# Altium PCB MB1397.PcbDoc (part 1 of 11) (continued)
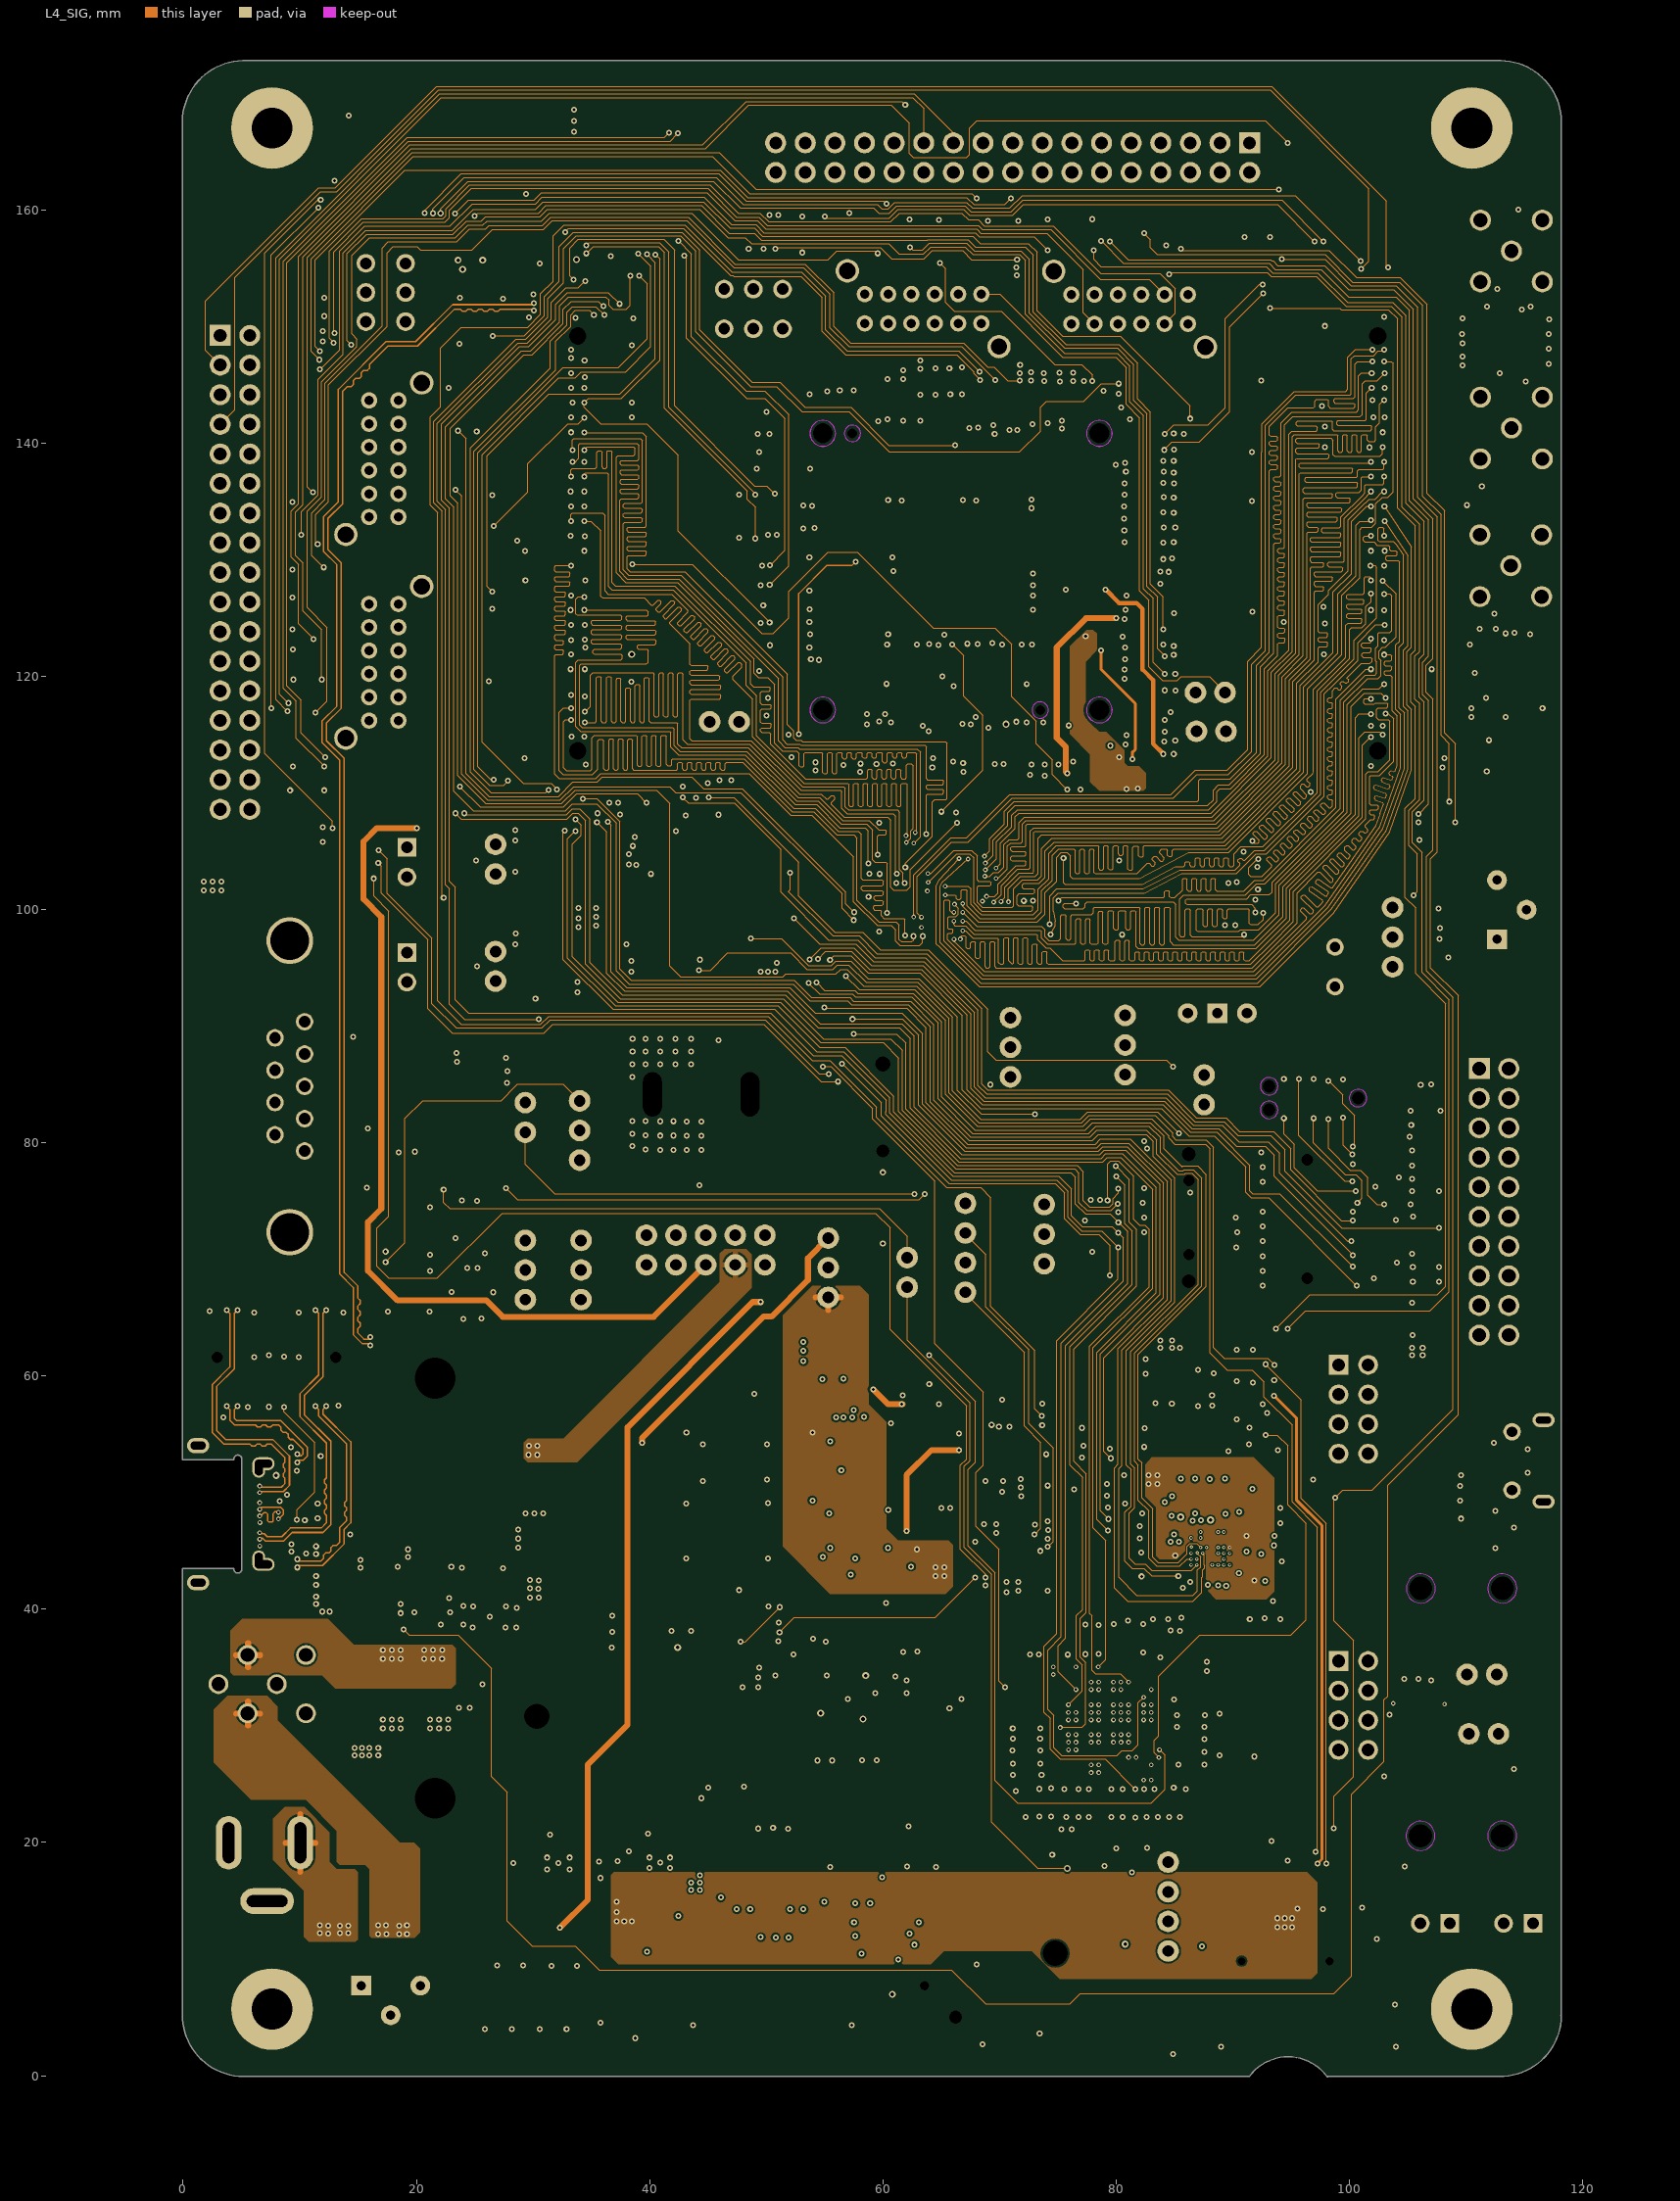
[diagram p4: L4_SIG]
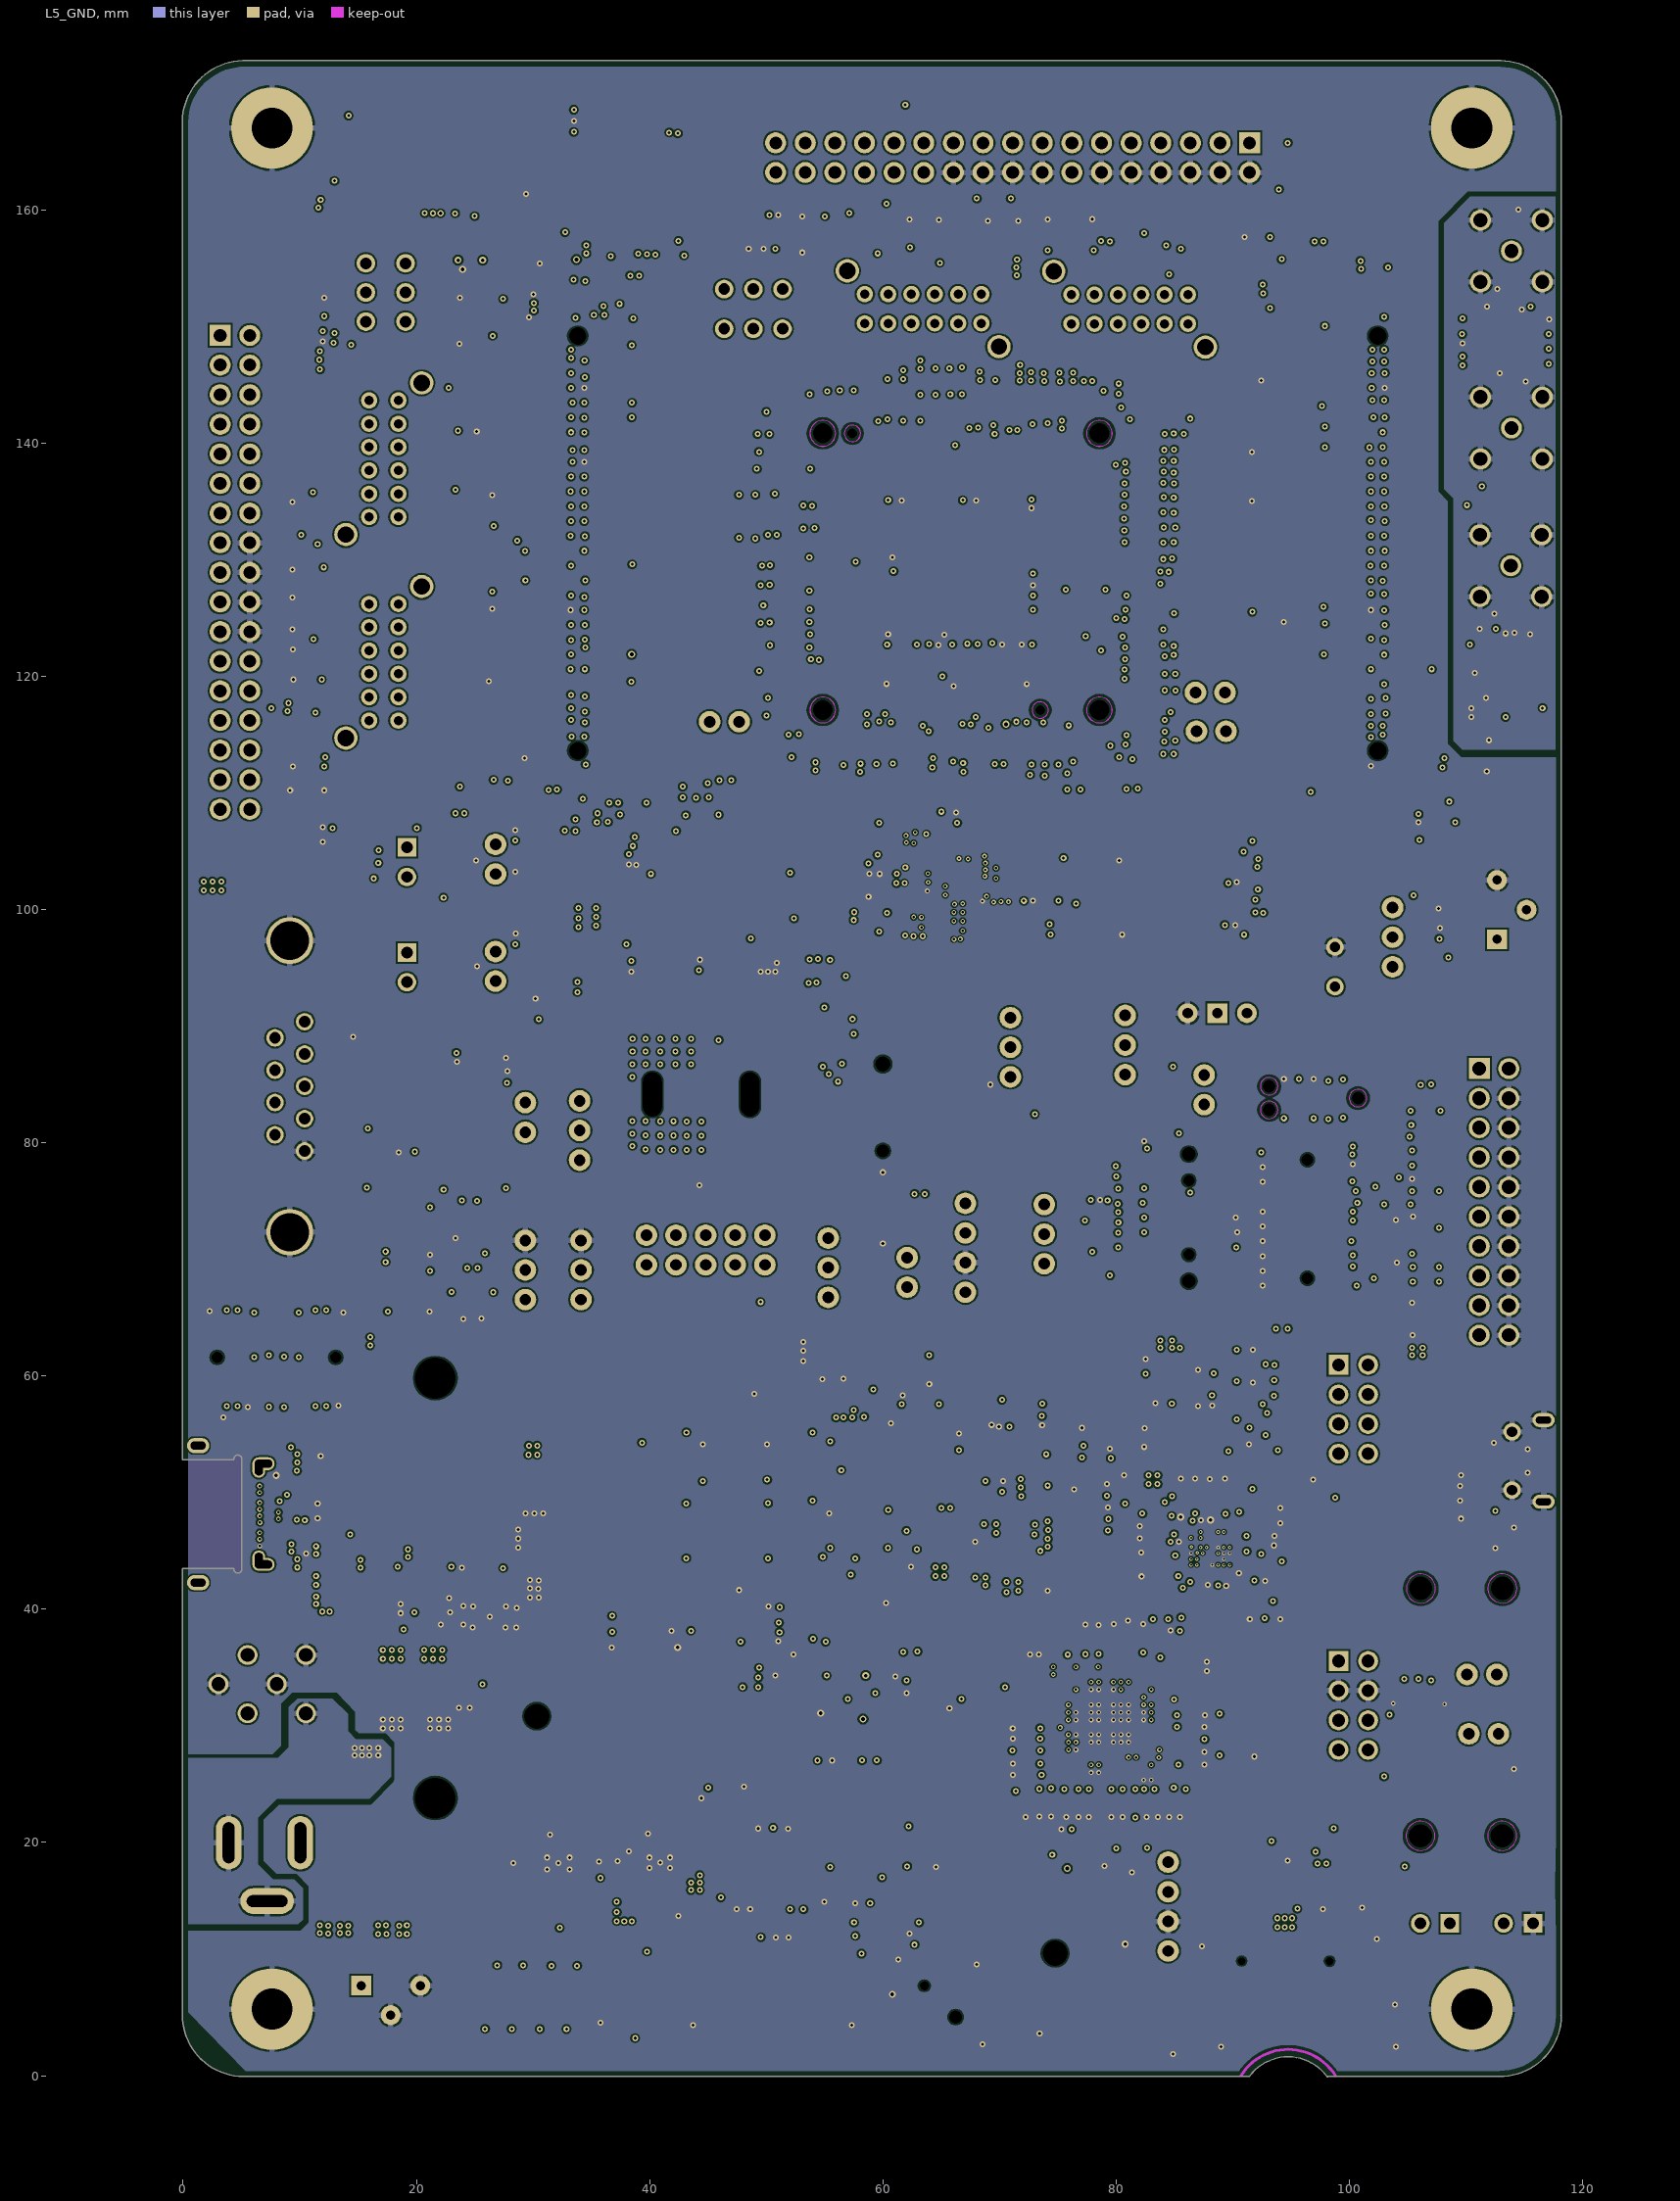
[diagram p5: L5_GND]

## Layer stack, top to bottom
Top Solder: solder mask 0.0102, Solder Resist, Dk 3.5
Top Layer: signal copper 0.0457
Dielectric1: core 0.0991, FR-4, Dk 4.2
L2_GND: signal copper 0.0305
Dielectric2: prepreg 0.127, Dk 4.2
L3_VCC: signal copper 0.0305
Dielectric3: core 0.9652, FR-4, Dk 4.2
L4_SIG: signal copper 0.0305
Dielectric4: prepreg 0.127, Dk 4.2
L5_GND: signal copper 0.0305
Dielectric5: core 0.0991, FR-4, Dk 4.2
Bottom Layer: signal copper 0.0457
Bottom Solder: solder mask 0.0102, Solder Resist, Dk 3.5

## Board outline
-0.064,5.258 -0.064,43.434 cw(c0,43.434) 0,43.498 4.286,43.498 cw(c4.286,43.434) 4.35,43.434 ccw(c4.686,43.434) 5.022,43.434 5.022,52.884 ccw(c5.086,52.884) 5.022,52.883 5.022,52.884 ccw(c4.686,52.884) 4.35,52.884 cw(c4.286,52.884) 4.286,52.82 0,52.82 cw(c0,52.884) -0.064,52.884 -0.064,167.564 cw(c0,167.564) -0.064,167.564 cw(c5.207,167.513) 5.094,172.783 cw(c5.105,172.72) 5.105,172.784 5.156,172.784 cw(c5.207,167.513) 5.258,172.784 112.954,172.784 cw(c112.954,172.72) 112.954,172.784 cw(c112.903,167.513) 118.174,167.513 cw(c112.903,167.513) 118.174,167.462 118.174,24.765 ccw(c118.11,24.765) 118.174,24.766 118.174,24.765 118.174,5.156 ccw(c118.11,5.156) 118.174,5.156 cw(c118.11,5.156) 118.174,5.156 cw(c112.903,5.207) 112.852,-0.064 cw(c112.903,5.207) 112.852,-0.064 98.159,-0.064 cw(c98.116,-0.016) 98.065,-0.054 ccw(c94.742,-2.502) 91.432,-0.038 ccw(c94.742,-2.502) 91.431,-0.038 91.432,-0.038 cw(c91.38,0) 91.38,-0.064 5.156,-0.064 cw(c5.156,0) 5.156,-0.064 cw(c5.207,5.207) -0.064,5.258 cw(c5.207,5.207)
cut-out: -225.071,-180.037 -224.817,-180.037 -224.817,-179.783 -225.071,-179.783

## Design rules (kind name [scope] priority, off if disabled: settings)
Clearance Clearance_C1_RX1 [(ObjectKind = 'Track') And (Net = 'C1_RX1+') vs (ObjectKind = 'Track') And (Net = 'C1_RX1-')] p1: gap=0.226 ignorepadtopadclearanceinfootprint=FALSE except(0: Arc-Hole Track-Hole SMDPad-Hole THPad-Hole Via-Hole Fill-Hole Poly-Hole Region-Hole Text-Hole; 0.152: Arc-Via Track-Via Via-Via)
Clearance Clearance_C1_RX2 [(ObjectKind = 'Track') And (Net ='C1_RX2+') vs (ObjectKind = 'Track') And (Net ='C1_RX2-')] p2: gap=0.226 ignorepadtopadclearanceinfootprint=FALSE except(0: Arc-Hole Track-Hole SMDPad-Hole THPad-Hole Via-Hole Fill-Hole Poly-Hole Region-Hole Text-Hole; 0.203: Via-Via)
Clearance Clearance_C1_TX1 [(ObjectKind = 'Track') And (Net ='C1_TX1-') vs (ObjectKind = 'Track') And (Net ='C1_TX1+')] p3: gap=0.226 ignorepadtopadclearanceinfootprint=FALSE except(0: Arc-Hole Track-Hole SMDPad-Hole THPad-Hole Via-Hole Fill-Hole Poly-Hole Region-Hole Text-Hole; 0.203: Via-Via)
Clearance Clearance_C1_TX2 [(ObjectKind = 'Track') And (Net ='C1_TX2+') vs (ObjectKind = 'Track') And (Net ='C1_TX2-')] p4: gap=0.226 ignorepadtopadclearanceinfootprint=FALSE except(0: Arc-Hole Track-Hole SMDPad-Hole THPad-Hole Via-Hole Fill-Hole Poly-Hole Region-Hole Text-Hole; 0.152: Arc-Via Track-Via Via-Via)
Clearance Clearance_USB_DEV_HS_CN [InNet('USB_DEV_HS_CN_P') vs InNet('USB_DEV_HS_CN_N')] p5: gap=0.226 ignorepadtopadclearanceinfootprint=FALSE except(0: Arc-Hole Track-Hole SMDPad-Hole THPad-Hole Via-Hole Fill-Hole Poly-Hole Region-Hole Text-Hole; 0.203: Via-Via)
Clearance Clearance_USB_D [InNet('USB_DM') vs InNet('USB_DP')] p6: gap=0.226 ignorepadtopadclearanceinfootprint=FALSE except(0: Arc-Hole Track-Hole SMDPad-Hole THPad-Hole Via-Hole Fill-Hole Poly-Hole Region-Hole Text-Hole; 0.152: Arc-Via Track-Via Via-Via)
Clearance Clearance_USB_DEV_HS [InNet('USB_DEV_HS_N') vs InNet('USB_DEV_HS_P')] p7: gap=0.226 ignorepadtopadclearanceinfootprint=FALSE except(0: Arc-Hole Track-Hole SMDPad-Hole THPad-Hole Via-Hole Fill-Hole Poly-Hole Region-Hole Text-Hole; 0.203: Via-Via)
Clearance Clearance_SB [HasFootprint('SOLDER-BRIDGE_R0603-0R')] p8: gap=0.102 ignorepadtopadclearanceinfootprint=FALSE except(0: Arc-Hole Track-Hole SMDPad-Hole THPad-Hole Via-Hole Fill-Hole Poly-Hole Region-Hole Text-Hole)
Clearance Clearance_U11 [WithinRoom('Room_U11','Room_U40')] p9: gap=0.102 ignorepadtopadclearanceinfootprint=FALSE except(0: Arc-Hole Track-Hole SMDPad-Hole THPad-Hole Via-Hole Fill-Hole Poly-Hole Region-Hole Text-Hole)
Clearance Clearance_U35 [All vs WithinRoom('Room_U35')] p10: gap=0.097 ignorepadtopadclearanceinfootprint=FALSE except(0: Arc-Hole Track-Hole SMDPad-Hole THPad-Hole Via-Hole Fill-Hole Poly-Hole Region-Hole Text-Hole)
Clearance Middle-layer-Clearance [(ObjectKind = 'Track') And (Layer = 'L4_SIG') vs (ObjectKind = 'Track') And (Layer = 'L4_SIG')] p11: gap=0.203 ignorepadtopadclearanceinfootprint=FALSE except(0: Arc-Hole Track-Hole SMDPad-Hole THPad-Hole Via-Hole Fill-Hole Poly-Hole Region-Hole Text-Hole; 0.201: Track-Track)
Clearance [All] p12: gap=0.102 ignorepadtopadclearanceinfootprint=FALSE except(0: Arc-Hole Track-Hole SMDPad-Hole THPad-Hole Via-Hole Fill-Hole Poly-Hole Region-Hole Text-Hole; 0.127: Via-Via; 0.152: SMDPad-Fill SMDPad-Poly THPad-Fill THPad-Poly Via-Fill Via-Poly; 0.251: Track-Track; 0.254: Arc-Fill Arc-Poly Track-Fill Track-Poly Fill-Fill Fill-Poly Poly-Poly)
ComponentClearance [All] p1: gap=0.2 collisioncheckmode=3 verticalgap=0.2 showdistances=FALSE
DiffPairsRouting 90ohm [InDifferentialPairClass('90ohm')] p1: maxlimit=0.254 minlimit=0.226 mostfreqgap=0.254 toplayer_maxgap=0.226 toplayer_prefgap=0.226 toplayer_minwidth=0.155 toplayer_maxwidth=0.381 toplayer_prefwidth=0.381 midlayer1_mingap=0.254 midlayer1_minwidth=0.155 midlayer1_maxwidth=0.381 midlayer1_prefwidth=0.381 midlayer2_mingap=0.254 midlayer2_minwidth=0.155 midlayer2_maxwidth=0.381 midlayer2_prefwidth=0.381 midlayer3_mingap=0.251 midlayer3_maxgap=0.251 midlayer3_prefgap=0.251 midlayer3_minwidth=0.13 midlayer3_maxwidth=0.381 midlayer3_prefwidth=0.381 midlayer4_mingap=0.254 midlayer4_minwidth=0.155 midlayer4_maxwidth=0.381 midlayer4_prefwidth=0.381 bottomlayer_prefgap=0.226 bottomlayer_minwidth=0.155 bottomlayer_maxwidth=0.381 bottomlayer_prefwidth=0.381 maxuncoupledlength=12.7
DiffPairsRouting 100ohm [InDifferentialPairClass('100OHM')] p2: maxlimit=0.277 minlimit=0.104 mostfreqgap=0.277 toplayer_mingap=0.251 toplayer_maxgap=0.251 toplayer_prefgap=0.251 toplayer_minwidth=0.155 toplayer_maxwidth=0.381 toplayer_prefwidth=0.381 midlayer1_mingap=0.254 midlayer1_maxgap=0.254 midlayer1_prefgap=0.254 midlayer1_minwidth=0.155 midlayer1_maxwidth=0.381 midlayer1_prefwidth=0.381 midlayer2_minwidth=0.155 midlayer2_maxwidth=0.381 midlayer2_prefwidth=0.381 midlayer3_minwidth=0.155 midlayer3_maxwidth=0.381 midlayer3_prefwidth=0.381 midlayer4_mingap=0.254 midlayer4_maxgap=0.254 midlayer4_prefgap=0.254 midlayer4_minwidth=0.155 midlayer4_maxwidth=0.381 midlayer4_prefwidth=0.381 bottomlayer_mingap=0.13 bottomlayer_maxgap=0.251 bottomlayer_prefgap=0.251 bottomlayer_minwidth=0.155 bottomlayer_maxwidth=0.381 bottomlayer_prefwidth=0.381 maxuncoupledlength=12.7
DiffPairsRouting [All] p3: maxlimit=0.254 minlimit=0.254 mostfreqgap=0.254 toplayer_minwidth=0.155 toplayer_maxwidth=0.381 toplayer_prefwidth=0.155 midlayer1_minwidth=0.155 midlayer1_maxwidth=0.381 midlayer1_prefwidth=0.155 midlayer2_minwidth=0.155 midlayer2_maxwidth=0.381 midlayer2_prefwidth=0.155 midlayer3_minwidth=0.155 midlayer3_maxwidth=0.381 midlayer3_prefwidth=0.155 midlayer4_minwidth=0.155 midlayer4_maxwidth=0.381 midlayer4_prefwidth=0.155 bottomlayer_minwidth=0.155 bottomlayer_maxwidth=0.381 bottomlayer_prefwidth=0.155 maxuncoupledlength=12.7
HoleSize [All] p1: absolutevalues=TRUE maxlimit=10 minlimit=0.025 maxpercent=80.000 minpercent=20.000
HoleToHoleClearance HoleToHoleClearance_1 [(ObjectKind = 'pad') And (Name = 'CN22-PTH4') vs (ObjectKind = 'pad') And (Name = 'CN22-PTH3')] p1: gap=0 allowstackedmicrovias=TRUE
HoleToHoleClearance [(ObjectKind = 'pad') And (Name ='CN22-PTH6') vs (ObjectKind = 'pad') And (Name ='CN22-PTH5')] p2: gap=0 allowstackedmicrovias=TRUE
MatchedLengths "Schematic Matched Net Lengths_46" [InNet('USB_DEV_HS_P')] p1: tolerance=0.2 checknetsindiffpair=TRUE checkdiffpairvsdiffpair=FALSE checkxsignals=FALSE checkothers=FALSE
MatchedLengths "Schematic Matched Net Lengths_45" [InNet('USB_DEV_HS_N')] p2: tolerance=0.2 checknetsindiffpair=TRUE checkdiffpairvsdiffpair=FALSE checkxsignals=FALSE checkothers=FALSE
MatchedLengths "Schematic Matched Net Lengths_44" [InNet('USB_DEV_HS_CN_P')] p3: tolerance=0.2 checknetsindiffpair=TRUE checkdiffpairvsdiffpair=FALSE checkxsignals=FALSE checkothers=FALSE
MatchedLengths "Schematic Matched Net Lengths_43" [InNet('USB_DEV_HS_CN_N')] p4: tolerance=0.2 checknetsindiffpair=TRUE checkdiffpairvsdiffpair=FALSE checkxsignals=FALSE checkothers=FALSE
MaxMinImpedance "Schematic Impedance Constraint_7" [InNet('USB_DEV_HS_P')] p1: minimum=85.00 maximum=95.00
MaxMinImpedance "Schematic Impedance Constraint_6" [InNet('USB_DEV_HS_N')] p2: minimum=85.00 maximum=95.00
MaxMinImpedance "Schematic Impedance Constraint_5" [InNet('USB_DEV_HS_CN_P')] p3: minimum=85.00 maximum=95.00
MaxMinImpedance "Schematic Impedance Constraint_4" [InNet('USB_DEV_HS_CN_N')] p4: minimum=85.00 maximum=95.00
MinimumSolderMaskSliver [All] p1: minsoldermaskwidth=0.013
PlaneConnect [All] p1: planeconnectstyle=Relief reliefexpansion=0.508 reliefentries=4 reliefconductorwidth=0.254 reliefairgap=0.178
PolygonConnect PolygonConnect_via [IsVia] p1: connectstyle=Direct reliefconductorwidth=0.254 reliefentries=4 polygonreliefangle="90 Angle" airgapwidth=0.254
PolygonConnect [All] p2: connectstyle=Relief reliefconductorwidth=0.508 reliefentries=4 polygonreliefangle="90 Angle" airgapwidth=0.178
RoomDefinition Room_U11 [InComponent('U11')] p1: confinementstyle=ConfineIn formatcopy=TRUE lockcomponents=FALSE outline 61.211,95.199 71.041,95.199 71.041,107.094 61.211,107.094
RoomDefinition Room_U35 [InComponent('U35')] p2: confinementstyle=ConfineIn formatcopy=TRUE lockcomponents=FALSE outline 85.471,47.523 90.703,47.523 90.703,42.951 85.471,42.951
RoomDefinition Room_U40 [InComponent('U40')] p3: confinementstyle=ConfineIn formatcopy=TRUE lockcomponents=FALSE outline 74.058,35.862 85.166,35.793 85.166,24.765 74.058,24.765
RoutingVias [All] p1: holewidth=0.203 width=0.381 viastyle="Through Hole" minholewidth=0.152 minwidth=0.305 maxholewidth=0.305 maxwidth=0.508
SilkToSilkClearance LOGO [(ObjectKind = 'Text') And (Component = 'HW1')] p1: silktosilkclearance=0
SilkToSilkClearance [All] p2: silktosilkclearance=0.025
SilkToSolderMaskClearance [IsPad] p1: minsilkscreentomaskgap=0.008 clearancetoexposedcopper=TRUE
SolderMaskExpansion [All] p1: expansion=0.102
Width Width_U11 [WithinRoom('Room_U11')] p1: maxlimit=0.508 minlimit=0.102 preferedwidth=0.102
Width Width_U10 [WithinRoom('BGA_U10')] p2: maxlimit=0.254 minlimit=0.102 preferedwidth=0.102
Width [All] p3: maxlimit=1.27 minlimit=0.102 preferedwidth=0.254 toplayer_prefwidth=0.127 midlayer1_minwidth=0.127 midlayer1_maxwidth=0.512 midlayer2_minwidth=0.127 midlayer2_maxwidth=0.512 midlayer3_prefwidth=0.102 midlayer4_minwidth=0.127 midlayer4_maxwidth=0.512 bottomlayer_prefwidth=0.127 minimp=50.000000 maximp=50.000000 favimp=50.000000
22 further rules are at their usual default settings.

## Classes and differential pairs
differential pair class 90ohm: C1_RX1 C1_RX2 C1_TX1 C1_TX2 USB_D USB_DEV_HS USB_DEV_HS_CN
component class U_HW_Mechanical_Parts: H1 H2 H3 H4 H5 H6 HW2 HW3 HW4 HW5 HW6
component class "U_Analog Interfaces": C28 C30 C35 C36 C50 C158 C159 C171 C179 C180 C181 CN3 CN7 CN8 CN9 HW18 HW19 JP5 Q4 R19 R111 R117 R124 R152 R153 R154 R157 R158 R164 R174 R179 R301 R302 R303 R304 R305 R306 R307 R308 R310 R311 R316 R318 RV1 RV2 SB16 SB22 SB75 SB102 TP1 TP2 U2 U4 U5 U7 U8 U9 U14 U53
component class U_Audio: C84 C85 C86 C87 C88 C90 C91 C92 C93 C94 C96 C97 C99 C100 C101 C103 C104 C105 C106 C107 CN23 CN26 JP16 JP17 R237 R255 R256 R257 R258 R261 U35 U41
component class "U_Debug connector": CN14 CN15 CN17 R183 R184 R185 R186 R188 R193 R195 R197 R200 R203 R205 R207 R209 R210 R211 R212 R214 U18 U20 U24
component class U_ExtensionConnector: CN5 CN6 R309 SB81 SB82 SB87 SB88
component class U_FDCAN: C40 C44 C52 C53 CN10 CN12 JP2 JP4 R163 R165 R180 R181 U10 U13 U15 U16
component class "U_FMC Memory": C46 C47 C48 R156 R162 R171 U11
component class U_LCD&SDcard: C64 C65 C69 C70 C129 C132 C186 CN20 CN24 CN28 L6 L7 Q1 R216 R218 R219 R220 R222 R226 R231 R233 R287 SB45 SB46 U26 U28 U46 U52
component class U_MB1397_TOP: HW14 JP10
component class U_MotorControl: C1 C2 C3 C4 C5 C6 C7 C8 C9 C10 C11 C12 C14 C15 C16 C17 C18 C19 C20 C21 C22 C23 C24 C25 C26 C27 C29 C31 C32 C34 C37 C38 C39 C42 CN2 CN4 CN32 R2 R3 R4 R5 R6 R7 R8 R9 R10 R11 R12 R18 R20 R21 R22 R23 R24 R25 R31 R32 R33 R51 R52 R55 R56 R57 R58 R59 R61 R64 R65 R66 R67 R72 R76 R77 R86 R91 R92 R95 R99 R100 R103 R104 R105 R106 R110 R113 R114 R115 R119 R120 R122 R125 R126 R128 R151 R155 SB2 SB14 SB19 SB32 SW1 SW2 SW3 SW4 SW5 SW6
component class "U_Multi-Function Expander": C75 C76 C77 C78 C80 C82 C83 C98 C108 C110 C111 C112 C119 C120 CN18 D7 HW21 JP13 L3 R223 R224 R225 R227 R228 R229 R230 R232 R234 R235 R236 R238 R239 R240 R241 R242 R243 R245 R252 R253 R260 R262 R265 R266 R267 R268 R270 R271 SB43 T2 T3 T4 T5 T6 T7 T8 TP6 U32 U38 U39
component class U_Peripherals: B1 B2 C13 C41 C43 C45 C49 C157 CN1 D1 L2 LD1 LD2 LD3 LD4 LD5 LPB1 R1 R13 R14 R15 R16 R17 R172 R175 R176 R177 R294 R297 R298 R299 R300 SB1 SB33 SB34 T1 TP3 U1 U3 U49 U50
component class U_Power_Board: C73 C74 C79 C95 C102 C109 C123 C124 C125 C146 C147 C149 C150 C151 C156 CN25 F1 JP12 L4 L5 LD6 R198 R247 R251 R272 R286 R289 R292 R293 RV3 SB42 SB47 SB48 TP4 TP5 TP7 TP8 TP9 U29 U33 U37 U43 U47 U48
component class "U_QSPI Memory": C51 C184 R159 R160 R161 R166 R167 R168 R169 R170 R173 R178 R319 R320 R321 R322 SB35 SB36 SB119 SB120 U12 U54
component class U_RS232&RS485: C54 C55 C56 C57 C58 C60 C61 C62 CN11 JP9 R190 R191 R192 R201 R202 R213 SB37 SB38 SB39 SB40 U17 U22 U23
component class U_SmartCard: C121 C126 C127 C152 C153 C154 C155 CN31 D10 HW6 R273 R274 R275 R276 R290 R291 TP10 TP11 U42 U44
component class U_STLink_V3E_SWD: C63 C66 C67 C68 C71 C72 C81 C89 C113 C114 C115 C116 C117 C118 C122 C128 C130 C131 C133 C134 C135 C136 C137 C138 C139 C140 C141 C142 C143 C144 C145 C148 CN16 CN21 CN27 CN29 CN30 D3 D4 D5 D6 LD7 LD8 R187 R189 R194 R196 R199 R204 R206 R208 R215 R217 R221 R269 R277 R278 R279 R280 R281 R282 R283 R284 R285 R288 R295 R296 SB41 U19 U21 U25 U27 U31 U34 U40 U45 X1
component class U_STM32_microcontroller_IOs: HW24 JP1 R26 R27 R28 R29 R30 R34 R35 R36 R37 R38 R39 R40 R41 R42 R43 R44 R45 R46 R47 R48 R49 R50 R53 R54 R60 R62 R63 R68 R69 R70 R71 R73 R74 R75 R78 R79 R80 R81 R82 R83 R84 R85 R87 R88 R89 R90 R93 R94 R96 R97 R98 R101 R102 R107 R108 R109 R112 R116 R118 R121 R123 R127 R129 R130 R131 R132 R133 R134 R135 R136 R137 R138 R139 R140 R141 R142 R143 R144 R145 R146 R147 R148 R149 R150 SB3 SB4 SB5 SB6 SB7 SB8 SB9 SB10 SB11 SB12 SB13 SB15 SB17 SB18 SB20 SB21 SB23 SB24 SB25 SB26 SB27 SB28 SB29 SB49 SB50 SB51 SB52 SB53 SB54 SB55 SB56 SB57 SB58 SB59 SB60 SB61 SB62 SB63 SB64 SB65 SB66 SB67 SB68 SB69 SB70 SB71 SB72 SB73 SB74 SB76 SB77 SB78 SB79 SB80 SB83 SB89 SB91 SB92 SB93 SB94 SB95 SB96 SB97 SB98 SB99 SB100 SB101 SB103 SB104 SB105 SB106 SB107 SB108 SB109 SB110 SB111 SB112 SB113 SB114 SB115 SB116 SB117 SB118 SB123 U6
component class U_STM32_microcontroller_power: B3 C33 C59 C160 C161 C162 C163 C164 C165 C166 C167 C168 C169 C170 C172 C173 C174 C175 C176 C177 C178 C182 C183 CN13 D2 D11 HW15 HW16 HW17 HW25 JP6 JP7 JP8 JP11 JP18 L1 L8 L9 R182 R312 R313 R314 R315 R317 SB30 SB31 SB84 SB85 SB86 SB90 SW7 U51 X2 X3
component class U_USB-TYPEC_CON: CN19 CN22 SB121 SB122 U30 U36 U55
component class U_USB_PD: C185 D8 D9 HW22 HW23 JP14 JP15 Q2 Q3 R244 R246 R248 R249 R250 R254 R259 R263 R264 R323 SB44 T9 T10
net class A[0..18]: A0 A1 A2 A3 A4 A5 A6 A7 A8 A9 A10 A11 A12 A13 A14 A15 A16 A17 A18 A19 A20
net class D[0..15]: D0 D1 D2 D3 D4 D5 D6 D7 D8 D9 D10 D11 D12 D13 D14 D15
net class PA[0..15]: PA0 PA1 PA2 PA3 PA4 PA5 PA6 PA7 PA8 PA9 PA10 PA11 PA12 PA13 PA14 PA15
net class PB[0..15]: PB0 PB1 PB2 PB3 PB4 PB5 PB6 PB7 PB8 PB9 PB10 PB11 PB12 PB13 PB14 PB15
net class PC[0..15]: PC0 PC1 PC2 PC3 PC4 PC5 PC6 PC7 PC8 PC9 PC10 PC11 PC12 PC13 PC14 PC15
net class PD[0..15]: PD0 PD1 PD2 PD3 PD4 PD5 PD6 PD7 PD8 PD9 PD10 PD11 PD12 PD13 PD14 PD15
net class PE[0..15]: PE0 PE1 PE2 PE3 PE4 PE5 PE6 PE7 PE8 PE9 PE10 PE11 PE12 PE13 PE14 PE15
net class PF[0..15]: PF0 PF1 PF2 PF3 PF4 PF5 PF6 PF7 PF8 PF9 PF10 PF11 PF12 PF13 PF14 PF15
net class PG[0..15]: PG0 PG1 PG2 PG3 PG4 PG5 PG6 PG7 PG8 PG9 PG10 PG11 PG12 PG13 PG14 PG15
differential pair C1_TX2: +C1_TX2+ -C1_TX2-
differential pair C1_RX2: +C1_RX2- -C1_RX2+
differential pair C1_TX1: +C1_TX1+ -C1_TX1-
differential pair C1_RX1: +C1_RX1+ -C1_RX1-
differential pair USB_D: +USB_DM -USB_DP
differential pair USB_DEV_HS_CN: +USB_DEV_HS_CN_P -USB_DEV_HS_CN_N